# Altium PCB GEM_AFE_128.PcbDoc (part 2 of 18)
Units mm, origin at the board's own origin, x right, y up, seen from the top; angles counter-clockwise.
Board outline 112 x 81.5 mm, 8 copper layers (Top Layer, L1, L2, L3, L4, L5, L6, Bottom Layer), stack 1.52 mm thick; 1880 components, 1258 nets, 6287 pads, 2369 vias.
Unrouted connection lines stored in the file: 4.
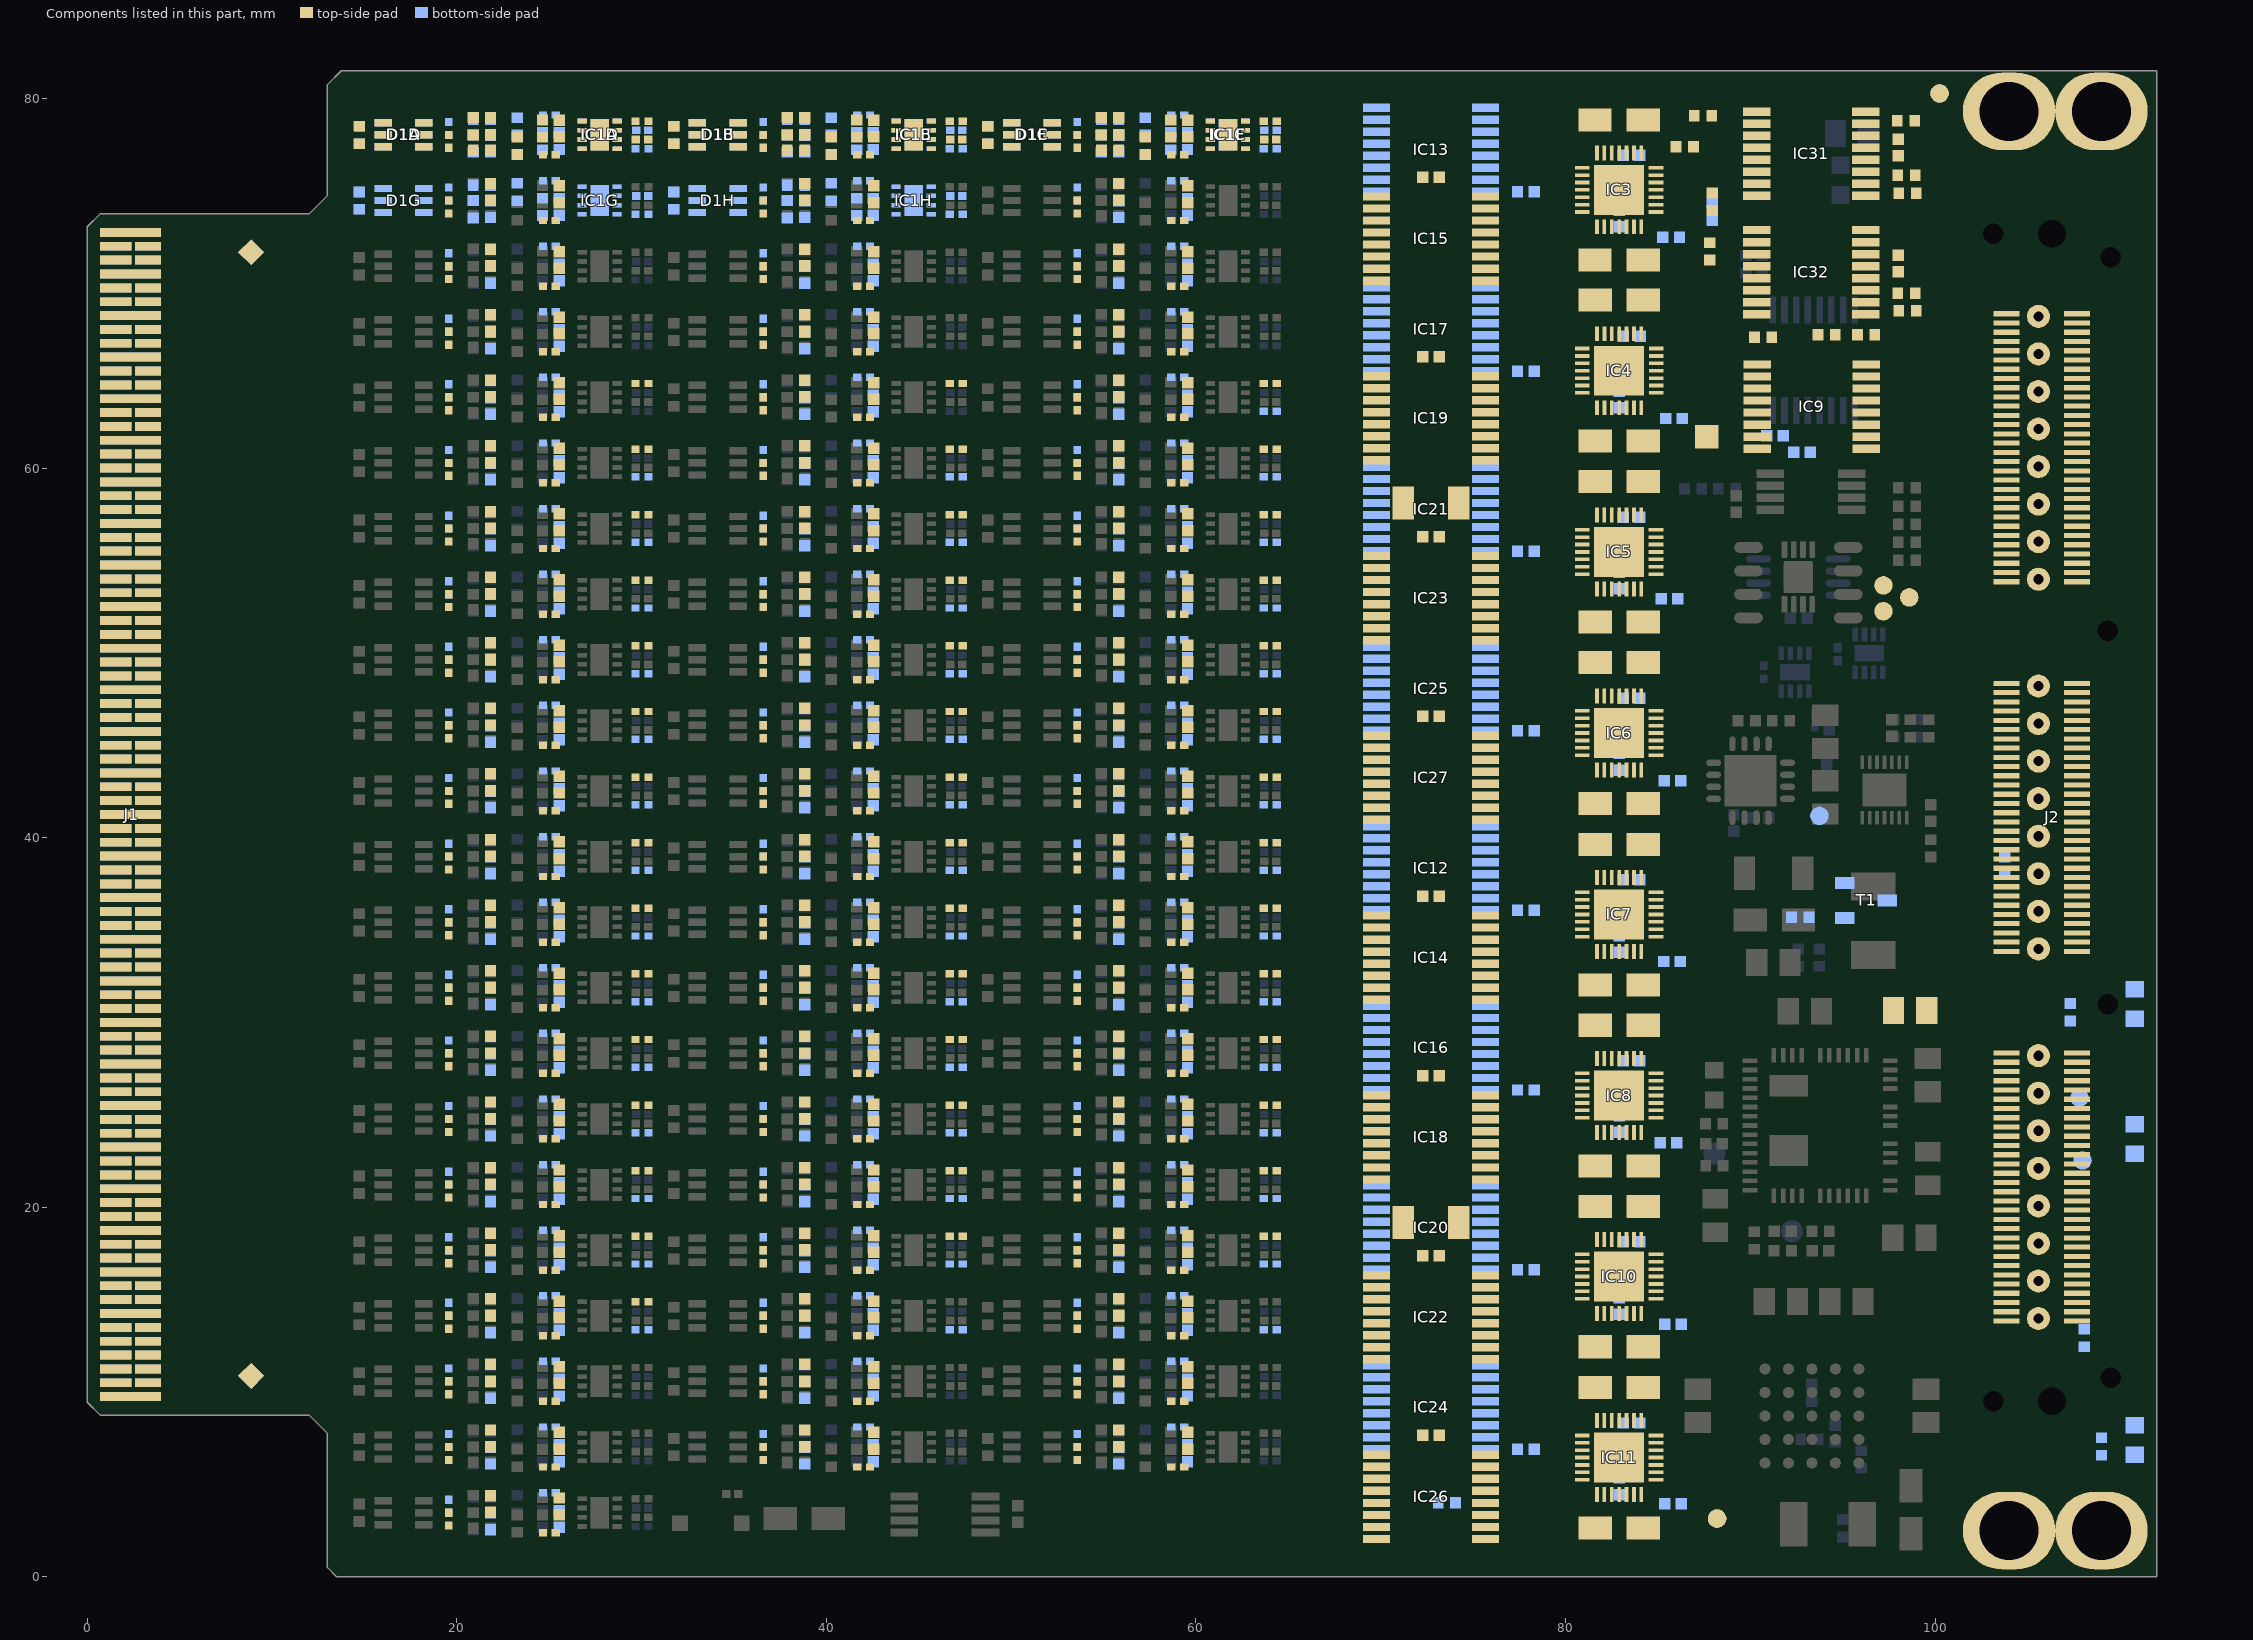
[diagram p8: the components of this part, seen from the top]

## Classes and differential pairs (continued)
component class U_CAL_logics: C52 C53 C54 C55 C56 C57 C58 C59 C60 C61 C62 C63 C64 C65 C66 C67 C68 C69 IC12 IC13 IC14 IC15 IC16 IC17 IC18 IC19 IC20 IC21 IC22 IC23 IC24 IC25 IC26 IC27 R3
component class GEM_AFE_128: B5 B6 B7 B8 C95 C96 FTG1 FTG2 FTG3 FTG4 FTG5 FTG6 FTG7 FTG8 IC31 IC32 J1 J2 LD1 LD2 LD3 R26 R27 R28 R29 R30 R31 R32 R33 R34 R35 R36 R37 R38 R41 R43 R44 R45 R56 T1 TP4 TP5
component class U_DAC: C11 C12 C13 C14 C15 C16 C17 C18 C19 C20 C21 C22 C23 C24 C25 C26 C27 C28 C29 C30 C31 C32 C33 C34 C35 C36 C37 C38 C39 C40 C41 C42 C43 C44 C45 C46 C47 C48 C49 C50 C51 IC3 IC4 IC5 IC6 IC7 IC8 IC9 IC10 IC11 TP1
component class U_FE_channel8: C1H C2H C3H C4H C6H D1H IC1H R1H R2H R4H R5H R6H R8H R36H R69H
component class U_FE_channel7: C1G C2G C3G C4G C6G D1G IC1G R1G R2G R4G R5G R6G R8G R36G R69G
component class U_FE_channel6: C1F C2F C3F C4F C6F D1F IC1F R1F R2F R4F R5F R6F R8F R36F R69F
component class U_FE_channel5: C1E C2E C3E C4E C6E D1E IC1E R1E R2E R4E R5E R6E R8E R36E R69E
component class U_FE_channel4: C1D C2D C3D C4D C6D D1D IC1D R1D R2D R4D R5D R6D R8D R36D R69D
component class U_FE_channel3: C1C C2C C3C C4C C6C D1C IC1C R1C R2C R4C R5C R6C R8C R36C R69C
component class U_FE_channel2: C1B C2B C3B C4B C6B D1B IC1B R1B R2B R4B R5B R6B R8B R36B R69B
component class U_FE_channel1: C1A C2A C3A C4A C6A D1A IC1A R1A R2A R4A R5A R6A R8A R36A R69A

## Components (designator, comment, footprint, x,y, rotation, side; value= is the part's Value field where it differs from the comment)
B1 "SMD Pad" C100#1 97.2,52.25 r270 top
B2 "SMD Pad" C100#1 97.2,53.65 r270 top
B3 "SMD Pad" C100#1 98.6,53 r270 top
B4 "SMD Pad" C100#2 93.734,41.175 r90 bottom
B5 "Plated Hole" MTG320_550#1 109,2.5 r90 top
B6 "Plated Hole" MTG320_550#1 109,79.3 r90 top
B7 "Plated Hole" MTG320_550#2 105,2.5 r90 top
B8 "Plated Hole" MTG320_550#3 102.554,79.3 r90 top
C1A "3.3pF" CAPC1005X55N 21.826,77.555 r90 bottom (schematic designator C1)
C1AA "3.3pF" CAPC1005X55N 55.826,63.355 r90 bottom (schematic designator C1)
C1AB "3.3pF" CAPC1005X55N 21.826,64.295 r270 top (schematic designator C1)
C1AC "3.3pF" CAPC1005X55N 38.826,64.295 r270 top (schematic designator C1)
C1AD "3.3pF" CAPC1005X55N 55.826,64.295 r270 top (schematic designator C1)
C1AE "3.3pF" CAPC1005X55N 21.826,59.805 r90 bottom (schematic designator C1)
C1AF "3.3pF" CAPC1005X55N 38.826,59.805 r90 bottom (schematic designator C1)
C1AG "3.3pF" CAPC1005X55N 55.826,59.805 r90 bottom (schematic designator C1)
C1AH "3.3pF" CAPC1005X55N 21.826,60.745 r270 top (schematic designator C1)
C1AI "3.3pF" CAPC1005X55N 38.826,60.745 r270 top (schematic designator C1)
C1AJ "3.3pF" CAPC1005X55N 55.826,60.745 r270 top (schematic designator C1)
C1AK "3.3pF" CAPC1005X55N 21.826,56.255 r90 bottom (schematic designator C1)
C1AL "3.3pF" CAPC1005X55N 38.826,56.255 r90 bottom (schematic designator C1)
C1AM "3.3pF" CAPC1005X55N 55.826,56.255 r90 bottom (schematic designator C1)
C1AN "3.3pF" CAPC1005X55N 21.826,57.195 r270 top (schematic designator C1)
C1AO "3.3pF" CAPC1005X55N 38.826,57.195 r270 top (schematic designator C1)
C1AP "3.3pF" CAPC1005X55N 55.826,57.195 r270 top (schematic designator C1)
C1AQ "3.3pF" CAPC1005X55N 21.826,52.705 r90 bottom (schematic designator C1)
C1AR "3.3pF" CAPC1005X55N 38.826,52.705 r90 bottom (schematic designator C1)
C1AS "3.3pF" CAPC1005X55N 55.826,52.705 r90 bottom (schematic designator C1)
C1AT "3.3pF" CAPC1005X55N 21.826,53.645 r270 top (schematic designator C1)
C1AU "3.3pF" CAPC1005X55N 38.826,53.645 r270 top (schematic designator C1)
C1AV "3.3pF" CAPC1005X55N 55.826,53.645 r270 top (schematic designator C1)
C1AW "3.3pF" CAPC1005X55N 21.826,49.155 r90 bottom (schematic designator C1)
C1AX "3.3pF" CAPC1005X55N 38.826,49.155 r90 bottom (schematic designator C1)
C1AY "3.3pF" CAPC1005X55N 55.826,49.155 r90 bottom (schematic designator C1)
C1AZ "3.3pF" CAPC1005X55N 21.826,50.095 r270 top (schematic designator C1)
C1B "3.3pF" CAPC1005X55N 38.826,77.555 r90 bottom (schematic designator C1)
C1BA "3.3pF" CAPC1005X55N 38.826,50.095 r270 top (schematic designator C1)
C1BB "3.3pF" CAPC1005X55N 55.826,50.095 r270 top (schematic designator C1)
C1BC "3.3pF" CAPC1005X55N 21.826,45.605 r90 bottom (schematic designator C1)
C1BD "3.3pF" CAPC1005X55N 38.826,45.605 r90 bottom (schematic designator C1)
C1BE "3.3pF" CAPC1005X55N 55.826,45.605 r90 bottom (schematic designator C1)
C1BF "3.3pF" CAPC1005X55N 21.826,46.545 r270 top (schematic designator C1)
C1BG "3.3pF" CAPC1005X55N 38.826,46.545 r270 top (schematic designator C1)
C1BH "3.3pF" CAPC1005X55N 55.826,46.545 r270 top (schematic designator C1)
C1BI "3.3pF" CAPC1005X55N 21.826,42.055 r90 bottom (schematic designator C1)
C1BJ "3.3pF" CAPC1005X55N 38.826,42.055 r90 bottom (schematic designator C1)
C1BK "3.3pF" CAPC1005X55N 55.826,42.055 r90 bottom (schematic designator C1)
C1BL "3.3pF" CAPC1005X55N 21.826,42.995 r270 top (schematic designator C1)
C1BM "3.3pF" CAPC1005X55N 38.826,42.995 r270 top (schematic designator C1)
C1BN "3.3pF" CAPC1005X55N 55.826,42.995 r270 top (schematic designator C1)
C1BO "3.3pF" CAPC1005X55N 21.826,38.505 r90 bottom (schematic designator C1)
C1BP "3.3pF" CAPC1005X55N 38.826,38.505 r90 bottom (schematic designator C1)
C1BQ "3.3pF" CAPC1005X55N 55.826,38.505 r90 bottom (schematic designator C1)
C1BR "3.3pF" CAPC1005X55N 21.826,39.445 r270 top (schematic designator C1)
C1BS "3.3pF" CAPC1005X55N 38.826,39.445 r270 top (schematic designator C1)
C1BT "3.3pF" CAPC1005X55N 55.826,39.445 r270 top (schematic designator C1)
C1BU "3.3pF" CAPC1005X55N 21.826,34.955 r90 bottom (schematic designator C1)
C1BV "3.3pF" CAPC1005X55N 38.826,34.955 r90 bottom (schematic designator C1)
C1BW "3.3pF" CAPC1005X55N 55.826,34.955 r90 bottom (schematic designator C1)
C1BX "3.3pF" CAPC1005X55N 21.826,35.895 r270 top (schematic designator C1)
C1BY "3.3pF" CAPC1005X55N 38.826,35.895 r270 top (schematic designator C1)
C1BZ "3.3pF" CAPC1005X55N 55.826,35.895 r270 top (schematic designator C1)
C1C "3.3pF" CAPC1005X55N 55.826,77.555 r90 bottom (schematic designator C1)
C1CA "3.3pF" CAPC1005X55N 21.826,31.405 r90 bottom (schematic designator C1)
C1CB "3.3pF" CAPC1005X55N 38.826,31.405 r90 bottom (schematic designator C1)
C1CC "3.3pF" CAPC1005X55N 55.826,31.405 r90 bottom (schematic designator C1)
C1CD "3.3pF" CAPC1005X55N 21.826,32.345 r270 top (schematic designator C1)
C1CE "3.3pF" CAPC1005X55N 38.826,32.345 r270 top (schematic designator C1)
C1CF "3.3pF" CAPC1005X55N 55.826,32.345 r270 top (schematic designator C1)
C1CG "3.3pF" CAPC1005X55N 21.826,27.855 r90 bottom (schematic designator C1)
C1CH "3.3pF" CAPC1005X55N 38.826,27.855 r90 bottom (schematic designator C1)
C1CI "3.3pF" CAPC1005X55N 55.826,27.855 r90 bottom (schematic designator C1)
C1CJ "3.3pF" CAPC1005X55N 21.826,28.795 r270 top (schematic designator C1)
C1CK "3.3pF" CAPC1005X55N 38.826,28.795 r270 top (schematic designator C1)
C1CL "3.3pF" CAPC1005X55N 55.826,28.795 r270 top (schematic designator C1)
C1CM "3.3pF" CAPC1005X55N 21.826,24.305 r90 bottom (schematic designator C1)
C1CN "3.3pF" CAPC1005X55N 38.826,24.305 r90 bottom (schematic designator C1)
C1CO "3.3pF" CAPC1005X55N 55.826,24.305 r90 bottom (schematic designator C1)
C1CP "3.3pF" CAPC1005X55N 21.826,25.245 r270 top (schematic designator C1)
C1CQ "3.3pF" CAPC1005X55N 38.826,25.245 r270 top (schematic designator C1)
C1CR "3.3pF" CAPC1005X55N 55.826,25.245 r270 top (schematic designator C1)
C1CS "3.3pF" CAPC1005X55N 21.826,20.755 r90 bottom (schematic designator C1)
C1CT "3.3pF" CAPC1005X55N 38.826,20.755 r90 bottom (schematic designator C1)
C1CU "3.3pF" CAPC1005X55N 55.826,20.755 r90 bottom (schematic designator C1)
C1CV "3.3pF" CAPC1005X55N 21.826,21.695 r270 top (schematic designator C1)
C1CW "3.3pF" CAPC1005X55N 38.826,21.695 r270 top (schematic designator C1)
C1CX "3.3pF" CAPC1005X55N 55.826,21.695 r270 top (schematic designator C1)
C1CY "3.3pF" CAPC1005X55N 21.826,17.205 r90 bottom (schematic designator C1)
C1CZ "3.3pF" CAPC1005X55N 38.826,17.205 r90 bottom (schematic designator C1)
C1D "3.3pF" CAPC1005X55N 21.826,78.495 r270 top (schematic designator C1)
C1DA "3.3pF" CAPC1005X55N 55.826,17.205 r90 bottom (schematic designator C1)
C1DB "3.3pF" CAPC1005X55N 21.826,18.145 r270 top (schematic designator C1)
C1DC "3.3pF" CAPC1005X55N 38.826,18.145 r270 top (schematic designator C1)
C1DD "3.3pF" CAPC1005X55N 55.826,18.145 r270 top (schematic designator C1)
C1DE "3.3pF" CAPC1005X55N 21.826,13.655 r90 bottom (schematic designator C1)
C1DF "3.3pF" CAPC1005X55N 38.826,13.655 r90 bottom (schematic designator C1)
C1DG "3.3pF" CAPC1005X55N 55.826,13.655 r90 bottom (schematic designator C1)
C1DH "3.3pF" CAPC1005X55N 21.826,14.595 r270 top (schematic designator C1)
C1DI "3.3pF" CAPC1005X55N 38.826,14.595 r270 top (schematic designator C1)
C1DJ "3.3pF" CAPC1005X55N 55.826,14.595 r270 top (schematic designator C1)
C1DK "3.3pF" CAPC1005X55N 21.826,10.105 r90 bottom (schematic designator C1)
C1DL "3.3pF" CAPC1005X55N 38.826,10.105 r90 bottom (schematic designator C1)
C1DM "3.3pF" CAPC1005X55N 55.826,10.105 r90 bottom (schematic designator C1)
C1DN "3.3pF" CAPC1005X55N 21.826,11.045 r270 top (schematic designator C1)
C1DO "3.3pF" CAPC1005X55N 38.826,11.045 r270 top (schematic designator C1)
C1DP "3.3pF" CAPC1005X55N 55.826,11.045 r270 top (schematic designator C1)
C1DQ "3.3pF" CAPC1005X55N 21.826,6.555 r90 bottom (schematic designator C1)
C1DR "3.3pF" CAPC1005X55N 38.826,6.555 r90 bottom (schematic designator C1)
C1DS "3.3pF" CAPC1005X55N 55.826,6.555 r90 bottom (schematic designator C1)
C1DT "3.3pF" CAPC1005X55N 21.826,7.495 r270 top (schematic designator C1)
C1DU "3.3pF" CAPC1005X55N 38.826,7.495 r270 top (schematic designator C1)
C1DV "3.3pF" CAPC1005X55N 55.826,7.495 r270 top (schematic designator C1)
C1DW "3.3pF" CAPC1005X55N 21.826,3.005 r90 bottom (schematic designator C1)
C1DX "3.3pF" CAPC1005X55N 21.826,3.945 r270 top (schematic designator C1)
C1E "3.3pF" CAPC1005X55N 38.826,78.495 r270 top (schematic designator C1)
C1F "3.3pF" CAPC1005X55N 55.826,78.495 r270 top (schematic designator C1)
C1G "3.3pF" CAPC1005X55N 21.826,74.005 r90 bottom (schematic designator C1)
C1H "3.3pF" CAPC1005X55N 38.826,74.005 r90 bottom (schematic designator C1)
C1I "3.3pF" CAPC1005X55N 55.826,74.005 r90 bottom (schematic designator C1)
C1J "3.3pF" CAPC1005X55N 21.826,74.945 r270 top (schematic designator C1)
C1K "3.3pF" CAPC1005X55N 38.826,74.945 r270 top (schematic designator C1)
C1L "3.3pF" CAPC1005X55N 55.826,74.945 r270 top (schematic designator C1)
C1M "3.3pF" CAPC1005X55N 21.826,70.455 r90 bottom (schematic designator C1)
C1N "3.3pF" CAPC1005X55N 38.826,70.455 r90 bottom (schematic designator C1)
C1O "3.3pF" CAPC1005X55N 55.826,70.455 r90 bottom (schematic designator C1)
C1P "3.3pF" CAPC1005X55N 21.826,71.395 r270 top (schematic designator C1)
C1Q "3.3pF" CAPC1005X55N 38.826,71.395 r270 top (schematic designator C1)
C1R "3.3pF" CAPC1005X55N 55.826,71.395 r270 top (schematic designator C1)
C1S "3.3pF" CAPC1005X55N 21.826,66.905 r90 bottom (schematic designator C1)
C1T "3.3pF" CAPC1005X55N 38.826,66.905 r90 bottom (schematic designator C1)
C1U "3.3pF" CAPC1005X55N 55.826,66.905 r90 bottom (schematic designator C1)
C1V "3.3pF" CAPC1005X55N 21.826,67.845 r270 top (schematic designator C1)
C1W "3.3pF" CAPC1005X55N 38.826,67.845 r270 top (schematic designator C1)
C1X "3.3pF" CAPC1005X55N 55.826,67.845 r270 top (schematic designator C1)
C1Y "3.3pF" CAPC1005X55N 21.826,63.355 r90 bottom (schematic designator C1)
C1Z "3.3pF" CAPC1005X55N 38.826,63.355 r90 bottom (schematic designator C1)
C2A "1pF" CAPC1005X55N 25.543,77.685 r270 bottom (schematic designator C2)
C2AA "1pF" CAPC1005X55N 59.543,63.485 r270 bottom (schematic designator C2)
C2AB "1pF" CAPC1005X55N 25.553,64.165 r90 top (schematic designator C2)
C2AC "1pF" CAPC1005X55N 42.553,64.165 r90 top (schematic designator C2)
C2AD "1pF" CAPC1005X55N 59.553,64.165 r90 top (schematic designator C2)
C2AE "1pF" CAPC1005X55N 25.543,59.935 r270 bottom (schematic designator C2)
C2AF "1pF" CAPC1005X55N 42.543,59.935 r270 bottom (schematic designator C2)
C2AG "1pF" CAPC1005X55N 59.543,59.935 r270 bottom (schematic designator C2)
C2AH "1pF" CAPC1005X55N 25.553,60.615 r90 top (schematic designator C2)
C2AI "1pF" CAPC1005X55N 42.553,60.615 r90 top (schematic designator C2)
C2AJ "1pF" CAPC1005X55N 59.553,60.615 r90 top (schematic designator C2)
C2AK "1pF" CAPC1005X55N 25.543,56.385 r270 bottom (schematic designator C2)
C2AL "1pF" CAPC1005X55N 42.543,56.385 r270 bottom (schematic designator C2)
C2AM "1pF" CAPC1005X55N 59.543,56.385 r270 bottom (schematic designator C2)
C2AN "1pF" CAPC1005X55N 25.553,57.065 r90 top (schematic designator C2)
C2AO "1pF" CAPC1005X55N 42.553,57.065 r90 top (schematic designator C2)
C2AP "1pF" CAPC1005X55N 59.553,57.065 r90 top (schematic designator C2)
C2AQ "1pF" CAPC1005X55N 25.543,52.835 r270 bottom (schematic designator C2)
C2AR "1pF" CAPC1005X55N 42.543,52.835 r270 bottom (schematic designator C2)
C2AS "1pF" CAPC1005X55N 59.543,52.835 r270 bottom (schematic designator C2)
C2AT "1pF" CAPC1005X55N 25.553,53.515 r90 top (schematic designator C2)
C2AU "1pF" CAPC1005X55N 42.553,53.515 r90 top (schematic designator C2)
C2AV "1pF" CAPC1005X55N 59.553,53.515 r90 top (schematic designator C2)
C2AW "1pF" CAPC1005X55N 25.543,49.285 r270 bottom (schematic designator C2)
C2AX "1pF" CAPC1005X55N 42.543,49.285 r270 bottom (schematic designator C2)
C2AY "1pF" CAPC1005X55N 59.543,49.285 r270 bottom (schematic designator C2)
C2AZ "1pF" CAPC1005X55N 25.553,49.965 r90 top (schematic designator C2)
C2B "1pF" CAPC1005X55N 42.543,77.685 r270 bottom (schematic designator C2)
C2BA "1pF" CAPC1005X55N 42.553,49.965 r90 top (schematic designator C2)
C2BB "1pF" CAPC1005X55N 59.553,49.965 r90 top (schematic designator C2)
C2BC "1pF" CAPC1005X55N 25.543,45.735 r270 bottom (schematic designator C2)
C2BD "1pF" CAPC1005X55N 42.543,45.735 r270 bottom (schematic designator C2)
C2BE "1pF" CAPC1005X55N 59.543,45.735 r270 bottom (schematic designator C2)
C2BF "1pF" CAPC1005X55N 25.553,46.415 r90 top (schematic designator C2)
C2BG "1pF" CAPC1005X55N 42.553,46.415 r90 top (schematic designator C2)
C2BH "1pF" CAPC1005X55N 59.553,46.415 r90 top (schematic designator C2)
C2BI "1pF" CAPC1005X55N 25.543,42.185 r270 bottom (schematic designator C2)
C2BJ "1pF" CAPC1005X55N 42.543,42.185 r270 bottom (schematic designator C2)
C2BK "1pF" CAPC1005X55N 59.543,42.185 r270 bottom (schematic designator C2)
C2BL "1pF" CAPC1005X55N 25.553,42.865 r90 top (schematic designator C2)
C2BM "1pF" CAPC1005X55N 42.553,42.865 r90 top (schematic designator C2)
C2BN "1pF" CAPC1005X55N 59.553,42.865 r90 top (schematic designator C2)
C2BO "1pF" CAPC1005X55N 25.543,38.635 r270 bottom (schematic designator C2)
C2BP "1pF" CAPC1005X55N 42.543,38.635 r270 bottom (schematic designator C2)
C2BQ "1pF" CAPC1005X55N 59.543,38.635 r270 bottom (schematic designator C2)
C2BR "1pF" CAPC1005X55N 25.553,39.315 r90 top (schematic designator C2)
C2BS "1pF" CAPC1005X55N 42.553,39.315 r90 top (schematic designator C2)
C2BT "1pF" CAPC1005X55N 59.553,39.315 r90 top (schematic designator C2)
C2BU "1pF" CAPC1005X55N 25.543,35.085 r270 bottom (schematic designator C2)
C2BV "1pF" CAPC1005X55N 42.543,35.085 r270 bottom (schematic designator C2)
C2BW "1pF" CAPC1005X55N 59.543,35.085 r270 bottom (schematic designator C2)
C2BX "1pF" CAPC1005X55N 25.553,35.765 r90 top (schematic designator C2)
C2BY "1pF" CAPC1005X55N 42.553,35.765 r90 top (schematic designator C2)
C2BZ "1pF" CAPC1005X55N 59.553,35.765 r90 top (schematic designator C2)
C2C "1pF" CAPC1005X55N 59.543,77.685 r270 bottom (schematic designator C2)
C2CA "1pF" CAPC1005X55N 25.543,31.535 r270 bottom (schematic designator C2)
C2CB "1pF" CAPC1005X55N 42.543,31.535 r270 bottom (schematic designator C2)
C2CC "1pF" CAPC1005X55N 59.543,31.535 r270 bottom (schematic designator C2)
C2CD "1pF" CAPC1005X55N 25.553,32.215 r90 top (schematic designator C2)
C2CE "1pF" CAPC1005X55N 42.553,32.215 r90 top (schematic designator C2)
C2CF "1pF" CAPC1005X55N 59.553,32.215 r90 top (schematic designator C2)
C2CG "1pF" CAPC1005X55N 25.543,27.985 r270 bottom (schematic designator C2)
C2CH "1pF" CAPC1005X55N 42.543,27.985 r270 bottom (schematic designator C2)
C2CI "1pF" CAPC1005X55N 59.543,27.985 r270 bottom (schematic designator C2)
C2CJ "1pF" CAPC1005X55N 25.553,28.665 r90 top (schematic designator C2)
C2CK "1pF" CAPC1005X55N 42.553,28.665 r90 top (schematic designator C2)
C2CL "1pF" CAPC1005X55N 59.553,28.665 r90 top (schematic designator C2)
C2CM "1pF" CAPC1005X55N 25.543,24.435 r270 bottom (schematic designator C2)
C2CN "1pF" CAPC1005X55N 42.543,24.435 r270 bottom (schematic designator C2)
C2CO "1pF" CAPC1005X55N 59.543,24.435 r270 bottom (schematic designator C2)
C2CP "1pF" CAPC1005X55N 25.553,25.115 r90 top (schematic designator C2)
C2CQ "1pF" CAPC1005X55N 42.553,25.115 r90 top (schematic designator C2)
C2CR "1pF" CAPC1005X55N 59.553,25.115 r90 top (schematic designator C2)
C2CS "1pF" CAPC1005X55N 25.543,20.885 r270 bottom (schematic designator C2)
C2CT "1pF" CAPC1005X55N 42.543,20.885 r270 bottom (schematic designator C2)
C2CU "1pF" CAPC1005X55N 59.543,20.885 r270 bottom (schematic designator C2)
C2CV "1pF" CAPC1005X55N 25.553,21.565 r90 top (schematic designator C2)
C2CW "1pF" CAPC1005X55N 42.553,21.565 r90 top (schematic designator C2)
C2CX "1pF" CAPC1005X55N 59.553,21.565 r90 top (schematic designator C2)
C2CY "1pF" CAPC1005X55N 25.543,17.335 r270 bottom (schematic designator C2)
C2CZ "1pF" CAPC1005X55N 42.543,17.335 r270 bottom (schematic designator C2)
C2D "1pF" CAPC1005X55N 25.553,78.365 r90 top (schematic designator C2)
C2DA "1pF" CAPC1005X55N 59.543,17.335 r270 bottom (schematic designator C2)
C2DB "1pF" CAPC1005X55N 25.553,18.015 r90 top (schematic designator C2)
C2DC "1pF" CAPC1005X55N 42.553,18.015 r90 top (schematic designator C2)
C2DD "1pF" CAPC1005X55N 59.553,18.015 r90 top (schematic designator C2)
C2DE "1pF" CAPC1005X55N 25.543,13.785 r270 bottom (schematic designator C2)
C2DF "1pF" CAPC1005X55N 42.543,13.785 r270 bottom (schematic designator C2)
C2DG "1pF" CAPC1005X55N 59.543,13.785 r270 bottom (schematic designator C2)
C2DH "1pF" CAPC1005X55N 25.553,14.465 r90 top (schematic designator C2)
C2DI "1pF" CAPC1005X55N 42.553,14.465 r90 top (schematic designator C2)
C2DJ "1pF" CAPC1005X55N 59.553,14.465 r90 top (schematic designator C2)
C2DK "1pF" CAPC1005X55N 25.543,10.235 r270 bottom (schematic designator C2)
C2DL "1pF" CAPC1005X55N 42.543,10.235 r270 bottom (schematic designator C2)
C2DM "1pF" CAPC1005X55N 59.543,10.235 r270 bottom (schematic designator C2)
C2DN "1pF" CAPC1005X55N 25.553,10.915 r90 top (schematic designator C2)
C2DO "1pF" CAPC1005X55N 42.553,10.915 r90 top (schematic designator C2)
C2DP "1pF" CAPC1005X55N 59.553,10.915 r90 top (schematic designator C2)
C2DQ "1pF" CAPC1005X55N 25.543,6.685 r270 bottom (schematic designator C2)
C2DR "1pF" CAPC1005X55N 42.543,6.685 r270 bottom (schematic designator C2)
C2DS "1pF" CAPC1005X55N 59.543,6.685 r270 bottom (schematic designator C2)
C2DT "1pF" CAPC1005X55N 25.553,7.365 r90 top (schematic designator C2)
C2DU "1pF" CAPC1005X55N 42.553,7.365 r90 top (schematic designator C2)
C2DV "1pF" CAPC1005X55N 59.553,7.365 r90 top (schematic designator C2)
C2DW "1pF" CAPC1005X55N 25.543,3.135 r270 bottom (schematic designator C2)
C2DX "1pF" CAPC1005X55N 25.553,3.815 r90 top (schematic designator C2)
C2E "1pF" CAPC1005X55N 42.553,78.365 r90 top (schematic designator C2)
C2F "1pF" CAPC1005X55N 59.553,78.365 r90 top (schematic designator C2)